# KiCad board Video Timer.kicad_pcb (continued)
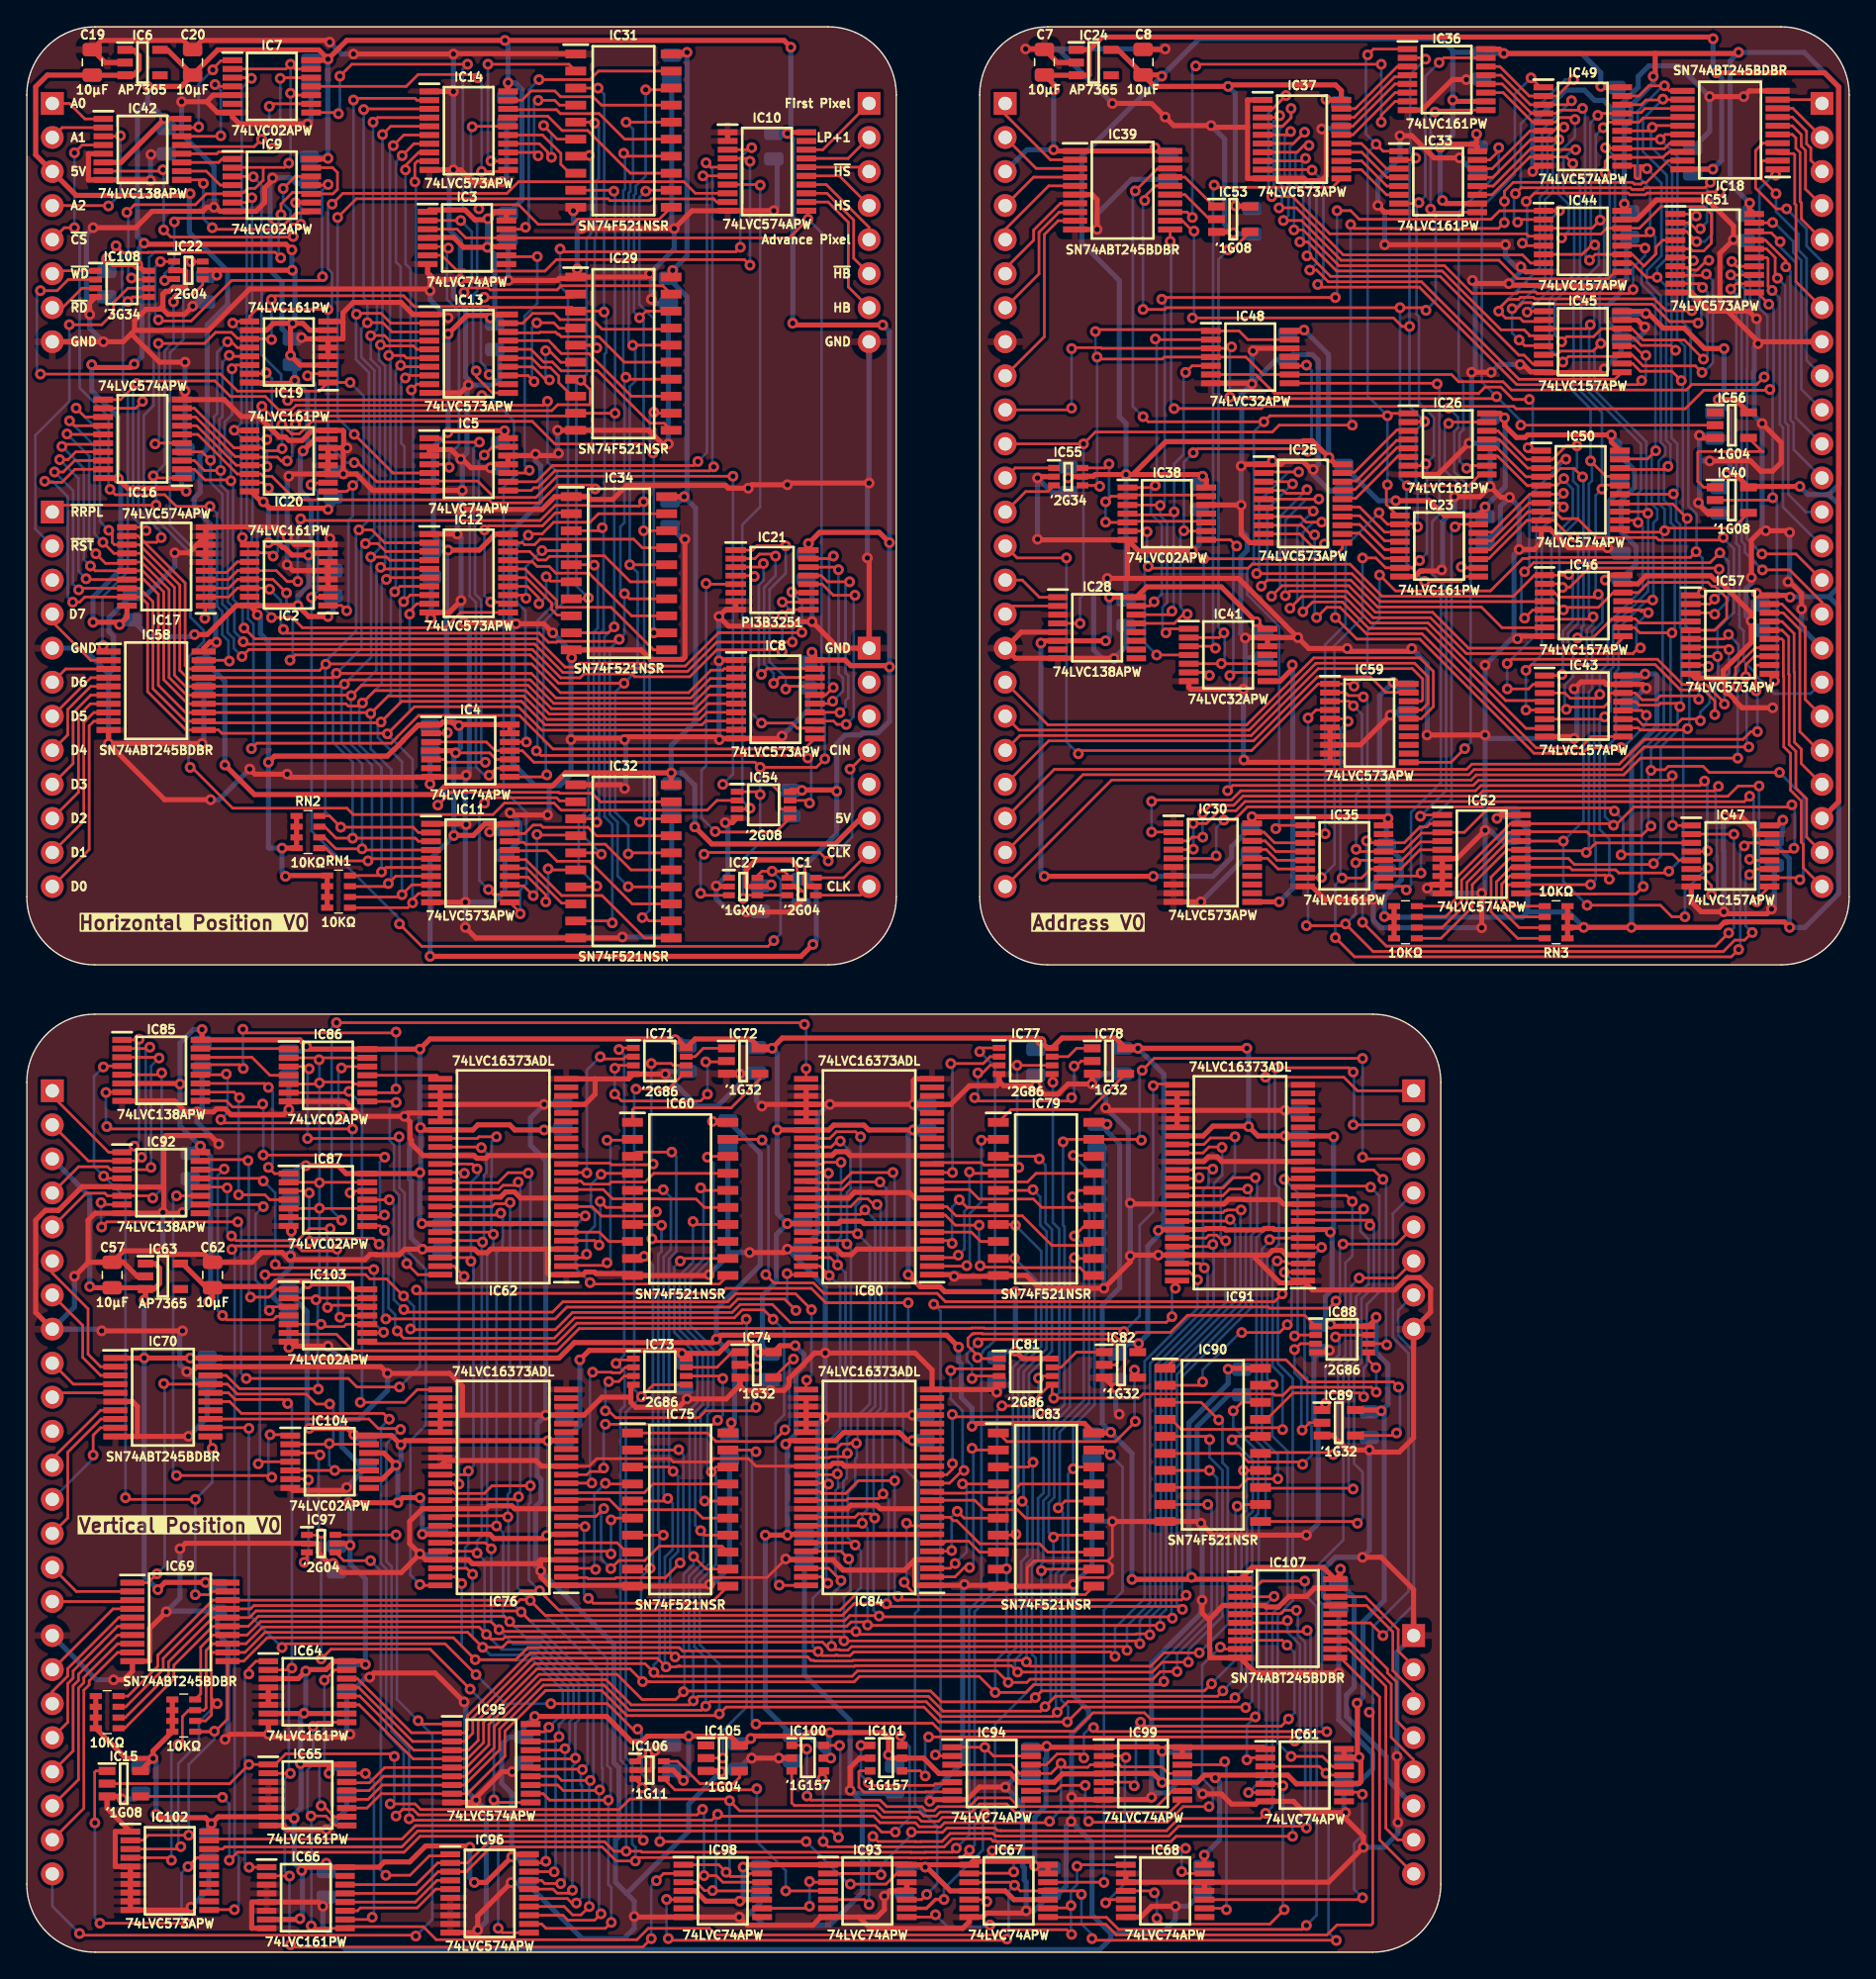
[diagram p0: board, top side]
## Routing (per net, layer and track width the routed paths; a pad name or vN(x,y) marks a point on that pad's centre or on a via; arc(x,y) is an arc through that point) (continued)
  Top w0.2: 113.15,128.02 112.09,128.02 111.91,128.19 97.25,128.19 94.48,130.97 v1(92.91,130.97) ; IC37.2 93,137.53 v1(93.98,138.51)
  Bottom w0.2: v1(92.91,130.97) 92.68,131.2 92.68,137.21 v1(93.98,138.51)
/Address Position/L1: length 30.2
  Top w0.2: IC37.3 93.37,136.88 v1(93.51,137.01) ; IC44.7 112.24,126.01 111.63,126.62 98.26,126.62 94.75,130.13 v1(93.46,130.13)
  Bottom w0.2: v1(93.46,130.13) 93.67,130.34 93.67,131.24 93.08,131.83 93.08,136.58 v1(93.51,137.01)
/Address Position/L2: length 39
  Top w0.2: IC37.4 93.74,136.23 94.36,136.85 v1(94.36,137.54) ; 118.56,125.36 118.03,124.83 112.18,124.83 112.16,124.85 111.24,124.85 109.87,126.22 98.09,126.22 95.13,129.19 v1(93.79,129.19)
  Bottom w0.2: v1(93.79,129.19) 94.16,129.56 94.16,131.31 93.48,132 93.48,135.97 94.36,136.85 v1(94.36,137.54)
/Address Position/L3: length 42.7
  Top w0.2: v1(94.32,135.82) 94.08,135.58 IC37.5 ; v1(94.58,128.49) 95.26,128.49 97.93,125.82 105.81,125.82 107.88,123.75 111.21,123.75 111.31,123.86 112.61,123.86 112.73,123.74 119.59,123.74 v1(119.89,124.04) ; v1(120.78,127.13) 120.59,127.31 IC44.12
  Bottom w0.2: v1(94.58,128.49) 94.58,131.46 93.88,132.16 93.88,135.38 v1(94.32,135.82) ; v1(119.89,124.04) 119.89,125.67 120.78,126.56 v1(120.78,127.13)
/Address Position/L4: length 33.6
  Top w0.2: 113.09,120.59 112.14,120.59 112.14,120.65 111.76,121.03 110.03,121.03 105.64,125.42 97.76,125.42 95.59,127.59 v1(95.02,127.59) ; v1(95.37,135.77) 94.52,134.93 IC37.6
  Bottom w0.2: v1(95.02,127.59) 95.28,127.85 95.28,131.33 94.28,132.33 94.28,134.68 v1(95.37,135.77)
/Address Position/L5: length 34
  Top w0.2: v1(95.69,134.78) 95.31,134.78 94.81,134.28 IC37.7 ; 113.16,118.47 112.42,118.47 111.75,119.14 111.35,119.14 105.48,125.02 97.3,125.02 95.77,126.55 v1(95.55,126.55)
  Bottom w0.2: v1(95.69,134.78) 95.31,134.78 94.68,134.15 94.68,132.49 95.74,131.43 95.74,126.75 v1(95.55,126.55)
/Address Position/L6: length 39.2
  Top w0.2: IC45.9 118.53,117.34 111.37,117.34 104.09,124.62 97.14,124.62 96.27,125.49 v1(95.76,125.49) ; v1(95.43,133.82) 95.24,133.63 IC37.8
  Bottom w0.2: v1(95.43,133.82) 95.19,133.57 95.19,132.55 96.25,131.49 96.25,125.98 v1(95.76,125.49)
/Address Position/L7: length 44.2
  Top w0.2: 119.06,119.82 119.97,119.82 120.66,119.13 v1(120.84,119.13) ; v1(96.35,124.42) 96.55,124.22 103.93,124.22 111.21,116.94 120.22,116.94 v1(120.52,117.24) ; IC37.9 95.89,132.98 v1(95.92,132.95)
  Bottom w0.2: v1(120.52,117.24) 120.84,117.56 v1(120.84,119.13) ; v1(96.35,124.42) 96.77,124.84 96.77,132.1 v1(95.92,132.95)
/Address Position/L8: length 34.1
  Top w0.2: 92.51,110.43 v1(94.93,110.43) ; 113.27,100.76 100.98,100.76 98.9,102.85 91.8,102.85 v1(91.79,102.85)
  Bottom w0.2: v1(94.93,110.43) 94.17,110.43 91.98,108.23 91.98,103.03 v1(91.79,102.85)
/Address Position/L9: length 33.6
  Top w0.2: 92.44,109.7 94.31,109.7 v1(94.47,109.54) ; v1(92.14,101.91) 92.59,102.36 98.81,102.36 100.82,100.36 108.56,100.36 110.11,98.81 113.38,98.81
  Bottom w0.2: v1(92.14,101.91) 92.58,102.35 92.58,107.65 v1(94.47,109.54)
/Address Position/L10: length 41.3
  Top w0.2: v1(95.55,109.11) 95.28,108.84 94,108.84 93.78,109.05 92.44,109.05 ; v1(92.9,101.16) 93.69,101.94 98.67,101.94 100.65,99.96 104.93,99.96 107.6,97.28 118.36,97.28 119.26,98.18
  Bottom w0.2: v1(95.55,109.11) 93.54,107.1 93.54,101.79 v1(92.9,101.16)
/Address Position/L11: length 48.2
  Top w0.2: v1(96.43,108.41) 96.42,108.4 92.44,108.4 ; 119.26,100.13 120.38,100.13 120.5,100 ; 120.18,97.19 119.87,96.88 107.44,96.88 104.76,99.56 100.49,99.56 98.52,101.53 94.26,101.53 v1(93.94,101.2) ; 119.25,100.12 120.84,100.12 v1(121.03,99.93) ; v1(120.44,97.3) 120.29,97.3 119.86,96.87
  Bottom w0.2: v1(121.03,99.93) 120.14,99.05 120.14,97.6 v1(120.44,97.3) ; v1(96.43,108.41) 95.52,108.41 93.95,106.84 93.95,101.21 v1(93.94,101.2)
/Address Position/L12: length 34.3
  Top w0.2: 92.44,107.75 95.76,107.75 v1(96.01,107.5) ; 113.32,93.37 110.38,93.37 104.6,99.16 100.32,99.16 98.35,101.13 95.15,101.13 v1(94.28,100.26)
  Bottom w0.2: v1(94.28,100.26) 94.82,100.81 94.82,106.31 v1(96.01,107.5)
/Address Position/L13: length 34.3
  Top w0.2: v1(95.24,100) 95.97,100.73 98.18,100.73 100.16,98.76 104.43,98.76 111.89,91.29 113.36,91.29 ; 92.44,107.1 95.06,107.1 95.48,106.68 v1(96.65,106.68)
  Bottom w0.2: v1(95.24,100) 95.24,105.9 96.02,106.68 v1(96.65,106.68)
/Address Position/L14: length 38.2
  Top w0.2: 92.44,106.45 95.14,106.45 95.86,105.73 v1(96.12,105.73) ; v1(96.27,99.57) 97.03,100.33 98.02,100.33 99.99,98.36 104.14,98.36 112.65,89.85 115.94,89.85 116.78,90.69 119.26,90.69
  Bottom w0.2: v1(96.12,105.73) 96.12,99.72 v1(96.27,99.57)
/Address Position/L15: length 41.5
  Top w0.2: v1(120.88,92.28) 120.52,92.63 120.16,92.63 120.16,92.64 119.26,92.64 ; v1(96.85,105.05) 96.57,104.77 96.04,104.77 95.01,105.8 92.44,105.8 ; v1(97.66,99.57) 99.27,97.96 103.97,97.96 112.48,89.45 116.1,89.45 116.11,89.45 116.12,89.45 116.53,89.86 v1(118.99,89.86)
  Bottom w0.2: v1(120.88,92.28) 120.88,91.6 119.14,89.86 v1(118.99,89.86) ; v1(96.85,105.05) 97.66,104.24 v1(97.66,99.57)
/Address Position/L16: length 52.3
  Top w0.2: v1(125.22,87.37) 124.88,87.03 108.52,87.03 108.13,86.64 90.6,86.64 89.91,85.96 84.05,85.96 v1(83.95,85.85) ; IC47.4 125.38,82.11 v1(125.43,82.16) ; v1(83.95,83.57) 85.57,83.57
  Bottom w0.2: v1(125.22,87.37) 125.43,87.16 125.43,82.16 v1(125.43,82.16) ; v1(83.95,85.85) v1(83.95,83.57)
/Address Position/L17: length 54.3
  Top w0.2: v1(87.76,84.96) 88.35,85.56 90.08,85.56 90.76,86.24 108.3,86.24 108.68,86.63 125.92,86.63 v1(126.26,86.97) ; IC47.7 125.15,80.16 125.73,79.58 v1(125.73,78.87) ; v1(87.77,83.18) 86.98,83.18 86.7,82.9 IC30.3
  Bottom w0.2: v1(125.73,78.87) 126.16,79.3 126.16,81.75 126.13,81.79 126.13,84.34 126.05,84.42 126.05,86.76 v1(126.26,86.97) ; v1(87.76,84.96) 87.76,83.2 v1(87.77,83.18)
/Address Position/L18: length 57.1
  Top w0.2: IC47.9 129.12,78.54 v1(129.12,78.36) ; v1(129.29,87) 127.73,87 126.96,86.23 108.85,86.23 108.46,85.84 90.93,85.84 90.24,85.16 89,85.16 88.04,84.2 v1(87.06,84.2) ; IC30.4 87.04,82.25 v1(87.07,82.29)
  Bottom w0.2: v1(129.29,87) 129.29,87 129.29,78.53 v1(129.12,78.36) ; v1(87.07,82.29) 87.07,84.19 v1(87.06,84.2)
/Address Position/L19: length 52.6
  Top w0.2: v1(88.77,81.79) 88.57,81.59 85.6,81.59 ; v1(128.59,81.53) 128.66,81.46 IC47.12 ; v1(128.59,86.23) 128.18,85.83 109.01,85.83 108.63,85.44 91.1,85.44 90.11,84.46 v1(89.34,84.46)
  Bottom w0.2: v1(88.77,81.79) 88.77,83.89 v1(89.34,84.46) ; v1(128.59,81.53) 128.89,81.83 128.89,85.93 v1(128.59,86.23)
/Address Position/Last Pixel + 1: length 3.7
  Top w0.2: IC39.15 86.44,131.12 88.27,129.29
/Address Position/Last Pixel + 1 _{IN}: length 7.3
  Top w0.2: 78.24,131.77 76.27,131.77 73.03,128.52 J4.5
/Address Position/Latch Bank: length 22.7
  Top w0.38: IC30.11 v1(93.47,78.35) ; v1(94.45,96.04) 94.45,95.74 93.54,94.82 IC41.8
  Bottom w0.38: v1(94.45,96.04) 94.49,96 94.49,79.37 v1(93.47,78.35)
/Address Position/Latch High: length 21.6
  Top w0.2: v1(88.26,95.25) 88.04,95.47 IC41.6 ; IC25.11 98.19,104.73 97.41,103.95 v1(87.84,103.95)
  Bottom w0.2: v1(88.26,95.25) 87.84,95.68 v1(87.84,103.95)
/Address Position/Latch Low: length 46.5
  Top w0.2: v1(88.62,131.83) 88.78,131.67 97.45,131.67 IC37.11 ; IC41.3 88.57,97.42 v1(88.71,97.28)
  Bottom w0.2: v1(88.71,97.28) 88.54,97.45 88.54,131.75 v1(88.62,131.83)
/Address Position/LC0: length 6.2
  Top w0.2: IC37.19 99.15,137.53 102.29,140.67 IC36.3
/Address Position/LC1: length 6.1
  Top w0.2: IC37.18 99.06,136.88 102.08,139.9 102.92,139.9
/Address Position/LC2: length 6.2
  Top w0.2: IC37.17 98.98,136.23 102.12,139.37 IC36.5
/Address Position/LC3: length 6.2
  Top w0.2: 103.05,138.72 102.12,138.72 98.98,135.58 IC37.16
/Address Position/LC4: length 5.1
  Top w0.2: 102.41,133.05 101.49,133.05 99.61,134.93 IC37.15
/Address Position/LC5: length 5.1
  Top w0.2: IC37.14 99.64,134.28 101.51,132.4 IC33.4
/Address Position/LC6: length 5.1
  Top w0.2: IC37.13 99.64,133.63 101.51,131.75 IC33.5
/Address Position/LC7: length 5.1
  Top w0.2: IC33.6 101.49,131.1 99.61,132.98 IC37.12
/Address Position/LC8: length 6.2
  Top w0.2: 97.95,110.41 99.11,110.41 102.25,113.56 102.88,113.56
/Address Position/LC9: length 6.1
  Top w0.2: 102.76,112.78 102.24,112.78 99.22,109.76 97.95,109.76
/Address Position/LC10: length 5.4
  Top w0.2: 102.88,112.26 102.28,112.26 99.14,109.11 98.81,109.11
/Address Position/LC11: length 5.4
  Top w0.2: 102.88,111.61 102.34,111.61 99.19,108.46 98.81,108.46
/Address Position/LC12: length 5.1
  Top w0.2: 102.25,105.94 101.35,105.94 99.47,107.81 97.95,107.81
/Address Position/LC13: length 5.1
  Top w0.2: 102.25,105.29 101.35,105.29 99.47,107.16 97.95,107.16
/Address Position/LC14: length 5.1
  Top w0.2: 102.25,104.64 101.35,104.64 99.47,106.51 97.95,106.51
/Address Position/LC15: length 5.1
  Top w0.2: 102.25,103.99 101.32,103.99 99.45,105.86 97.95,105.86
/Address Position/LC16: length 4.3
  Top w0.2: IC30.19 92.34,83.55 93.13,82.76 95.41,82.76
/Address Position/LC17: length 4.3
  Top w0.2: 95.41,82.11 93.22,82.11 92.42,82.9 IC30.18
/Address Position/LC18: length 4.3
  Top w0.2: 95.41,81.46 93.3,81.46 92.51,82.25 IC30.17
/Address Position/LC19: length 4.3
  Top w0.2: 95.41,80.81 93.38,80.81 92.59,81.6 IC30.16
/Address Position/LP·AR: length 42.3
  Top w0.2: v1(89.34,98.42) 88.99,98.07 IC41.2 ; IC41.10 89.17,96.12 v1(89.15,96.14) 89.14,96.12 IC41.5 ; v1(89.66,127) 89.96,127 IC53.4
  Bottom w0.2: v1(89.15,96.14) 89.41,96.4 89.41,98.36 v1(89.34,98.42) 88.94,98.83 88.94,126.28 v1(89.66,127)
/Address Position/Pixel CLK: length 96
  Top w0.2: 102.51,106.55 103.59,106.55 v1(103.8,106.34) ; IC23.2 101.56,106.53 100.93,107.16 v1(100.93,107.39) ; IC36.2 104.29,141.32 v1(104.39,141.22) ; v1(103.66,133.84) 103.53,133.7 IC33.2 ; v1(87,121.92) 102.01,121.92 102.65,121.28 v1(103.2,121.28) ; 95.41,83.41 96.88,83.41 v1(96.9,83.44) ; v1(104.32,114.19) 104.31,114.17 103.15,114.17 ; IC39.12 86.25,129.17 87.02,128.4 v1(87.12,128.4)
  Bottom w0.2: v1(100.93,107.39) 98.43,104.88 98.43,99.06 96.9,97.54 v1(96.9,83.44) ; v1(87.12,128.4) 87.12,122.05 v1(87,121.92) ; v1(104.39,141.22) 103.25,140.08 103.25,134.25 v1(103.66,133.84) 103.2,133.38 v1(103.2,121.28) 103.2,115.31 v1(104.32,114.19) 103.68,113.54 103.68,109.75 103.8,109.63 v1(103.8,106.34)
/Address Position/Pixel CLK _{IN}: length 10
  Top w0.2: J4.7 75.55,125.2 75.55,128.31 77.06,129.82 78.24,129.82
/Address Position/Read Address Low: length 10.1
  Top w0.2: IC56.4 129.52,111.95 129.59,111.95 124.78,111.95 124.71,111.89 124.71,109.73 125.16,109.28 IC40.1
/Address Position/TC_{0..3}: length 76.5
  Top w0.2: 95.41,80.16 96.61,80.16 v1(96.62,80.17) ; v1(103.95,103.82) 103.4,103.28 IC23.7 101.42,103.28 100.68,104.01 v1(99.69,104.01) ; v1(105.41,140.97) 105.76,141.32 IC36.15 ; v1(103.9,130.52) 103.83,130.45 IC33.7 ; IC26.7 104.28,110.9 v1(104.42,111.04)
  Bottom w0.2: v1(103.95,103.82) 104.5,104.37 104.5,110.96 v1(104.42,111.04) 105.02,111.64 105.02,114.48 103.9,115.6 103.9,122.02 103.73,122.2 103.73,130.35 v1(103.9,130.52) 104.38,131 104.38,139.94 v1(105.41,140.97) ; v1(96.62,80.17) 97.6,81.15 97.6,97.47 99.69,99.57 v1(99.69,104.01)
/Address Position/TC_{4..7}: length 29.3
  Top w0.2: IC33.15 109.19,133.7 109.85,134.37 v1(109.85,134.62) ; IC26.10 107.65,110.9 v1(107.46,110.71)
  Bottom w0.2: v1(109.85,134.62) 109.85,132.79 106.87,129.8 106.87,117.49 107.22,117.14 107.22,113.59 106.93,113.3 106.93,111.24 v1(107.46,110.71)
/Address Position/TC_{8..11}: length 15.7
  Top w0.2: IC23.10 107.13,103.28 v1(107.06,103.34) ; IC26.15 106.22,114.15 v1(106.12,114.05)
  Bottom w0.2: v1(106.12,114.05) 105.83,113.76 105.83,110.57 107.3,109.11 107.3,103.58 v1(107.06,103.34)
/Address Position/TC_{12..15}: length 31.5
  Top w0.2: v1(106.6,106.34) 106.78,106.53 IC23.15 ; 101.39,80.29 103.84,80.29 v1(104.06,80.51)
  Bottom w0.2: v1(104.06,80.51) 104.06,83.74 106.34,86.02 106.34,106.08 v1(106.6,106.34)
/Address Position/Write Address Bank: length 62.7
  Top w0.2: v1(89.79,95.24) 90.02,95.47 IC41.9 ; IC38.8 89.83,105.36 v1(90.3,104.9) ; v1(89.62,86.66) 90.01,87.04 107.96,87.04 108.35,87.43 122.47,87.43 v1(122.81,87.77) ; v1(122.84,84.06) 122.84,84.06 IC47.1
  Bottom w0.2: v1(89.62,86.66) 89.79,86.82 v1(89.79,95.24) 90.04,95.5 90.04,104.65 v1(90.3,104.9) ; v1(122.81,87.77) 122.84,87.74 v1(122.84,84.06)
/Address Position/Write Address High: length 56.1
  Top w0.2: v1(114.58,95.32) 114.51,95.25 113.29,95.25 ; v1(83.69,103.38) 83.82,103.25 91.16,103.25 91.46,103.55 98.76,103.55 101.15,101.16 110.95,101.16 112.52,102.73 IC46.1 115.03,102.73 v1(115.09,102.79) ; IC38.6 83.57,106.01 v1(83.61,105.97) ; IC41.4 v1(84.33,96.77)
  Bottom w0.2: v1(115.09,102.79) 115.39,102.49 115.39,99.3 114.64,98.55 114.64,95.38 v1(114.58,95.32) ; v1(83.61,105.97) 83.61,103.46 v1(83.69,103.38) 83.44,103.12 83.44,97.67 v1(84.33,96.77)
/Address Position/Write Address Low: length 76.3
  Top w0.2: v1(114.39,129.92) 114.38,129.91 IC44.1 109.92,129.91 109.29,129.28 99.45,129.28 98.81,129.92 v1(97.79,129.92) ; v1(97.66,123.44) 84.84,123.44 v1(84.71,123.32) ; v1(111.98,122.35) 112.04,122.42 IC45.1 ; v1(85.02,98.43) 85.31,98.72 IC41.1 ; IC38.3 84.56,107.96 v1(84.6,107.93)
  Bottom w0.2: v1(114.39,129.92) 113.79,129.32 113.79,124.17 v1(111.98,122.35) ; v1(97.79,129.92) 97.79,123.57 v1(97.66,123.44) ; v1(84.71,123.32) 84.93,123.1 84.93,108.26 v1(84.6,107.93) 84.6,107.17 85.11,106.66 85.11,100.67 84.77,100.33 84.77,98.68 v1(85.02,98.43)
/Address Position/~{Horizontal Blank}: length 112.3
  Top w0.2: IC35.9 102.69,79.51 v1(102.96,79.25) ; IC23.9 107.41,102.63 107.04,102.26 v1(104.34,102.26) ; IC39.16 84.24,131.77 83.43,130.97 v1(83.43,130.69) ; IC33.9 105.01,129.8 v1(104.77,130.04) ; 108.47,110.25 107.63,109.4 v1(103.03,109.4) ; v1(83.31,122.55) 84.94,122.55 85.06,122.68 v1(102.49,122.68) 104.24,122.68 v1(104.43,122.49) ; v1(105.1,137.28) 105.24,137.42 IC36.9
  Bottom w0.2: v1(83.43,130.69) 83.31,130.56 v1(83.31,122.55) ; v1(102.96,79.25) 103.31,79.6 103.31,85.03 105.54,87.26 105.54,101.06 v1(104.34,102.26) 102.97,103.62 102.97,109.35 v1(103.03,109.4) 102.49,109.95 v1(102.49,122.68) ; v1(105.1,137.28) 104.78,136.96 v1(104.78,130.04) 105.16,129.65 105.16,123.22 v1(104.43,122.49)
/Address Position/~{Horizontal Blank} _{IN}: length 6.1
  Top w0.2: 78.24,132.42 75.14,132.42 J4.4
/Address Position/~{PC}·RAL: length 79.6
  Top w0.2: v1(120.92,133.06) 120.71,133.27 120.42,133.27 120.42,132.42 120.31,132.31 120.14,132.31 120.02,132.42 120.02,133.27 IC49.11 ; 128.5,107.38 127.36,106.24 122.43,106.24 v1(122.24,106.05) 122.13,105.94 119.14,105.94 IC50.11 ; v1(120.65,79.5) 120.1,78.95 117.01,78.95 117,78.95 111.58,78.95
  Bottom w0.2: v1(120.92,133.06) 122,131.98 122,126.54 120.92,125.46 120.92,124.6 121.96,123.57 121.96,112.63 122.28,112.3 122.28,111.72 121.79,111.24 121.79,108.1 122.24,107.65 v1(122.24,106.05) 122.09,105.9 122.09,95.52 122.17,95.43 122.17,91.26 120.52,89.6 120.52,79.63 v1(120.65,79.5)
/Address Position/~{Pixel CLK}: length 124.8
  Top w0.2: IC59.11 106.29,88.77 v1(107.31,89.79) ; IC57.11 130.06,95.22 v1(130.43,94.85) ; v1(130.1,116.59) 130.03,116.52 125.16,116.52 123.78,115.14 111.15,115.14 110.97,115.32 106.25,115.32 v1(106.12,115.2) 106,115.32 92.31,115.32 92.15,115.16 v1(85.63,115.16) ; IC40.2 130.13,108.33 v1(130.31,108.51) ; 129.13,123.82 v1(130.01,122.94) ; v1(85.34,127.63) 85.34,127.64 IC39.11
  Bottom w0.2: v1(107.31,89.79) 107.76,90.24 107.76,109.21 106.53,110.44 106.53,113.47 106.82,113.76 106.82,114.5 v1(106.12,115.2) ; v1(130.01,122.94) 130.37,122.59 130.37,116.86 v1(130.1,116.59) 130.31,116.38 v1(130.31,108.51) 130.62,108.19 130.62,95.04 v1(130.43,94.85) ; v1(85.63,115.16) 85.41,115.38 85.41,127.57 v1(85.34,127.63)
/Address Position/~{Pixel CLK} _{IN}: length 14.5
  Top w0.2: 78.24,129.17 76.97,129.17 75.95,128.14 75.95,120.52 J4.9
/Address Position/~{RD}: length 95.6
  Top w0.2: v1(79.88,119) 80.03,118.85 84.75,118.85 84.89,119 IC48.4 90.99,119 92.29,117.7 IC48.9 106.33,117.7 106.87,117.16 110.18,117.16 110.8,116.54 123.86,116.54 124.27,116.95 129.11,116.95 v1(129.67,117.51) ; IC48.13 91.13,120.3 90.48,120.95 IC48.1 ; IC18.1 130.53,132.86 v1(130.53,132.57) ; 88.28,121.05 79.9,121.05 v1(79.76,120.9) ; IC55.4 80.01,109.43 v1(80.07,109.36)
  Bottom w0.2: v1(130.53,132.57) 130.34,132.57 129.31,131.55 129.31,122.65 129.92,122.05 129.92,117.76 v1(129.67,117.51) ; v1(79.76,120.9) 79.76,119.13 v1(79.88,119) 79.88,109.55 v1(80.07,109.36)
/Address Position/~{RD}_{IN}: length 4.5
  Top w0.2: IC55.3 76.2,108.97 74.55,108.97 J4.13
/Address Position/~{Read Address Bank}: length 46.5
  Top w0.2: v1(104.01,84.74) 104.11,84.84 IC52.1 ; 94.25,117.05 105.21,117.05 v1(105.26,117)
  Bottom w0.2: v1(104.01,84.74) 105.94,86.67 105.94,101.8 104.9,102.83 104.9,106.73 105.42,107.26 105.42,116.84 v1(105.26,117)
/Address Position/~{Read Address High}: length 29.8
  Top w0.2: IC48.6 91.72,117.7 93.12,116.3 108.37,116.3 108.84,116.76 110.01,116.76 110.93,115.84 v1(112.14,115.84)
  Top w0.38: v1(112.05,112.24) 112.27,112.02 IC50.1
  Bottom w0.2: v1(112.05,112.24) 112.4,112.59 112.4,115.59 v1(112.14,115.84)
/Address Position/~{Read Address Low}: length 89.4
  Top w0.2: v1(77.98,119.63) 78.04,119.7 80.17,119.7 80.22,119.65 IC48.3 89.8,119.65 v1(89.92,119.76) ; v1(77.98,115.19) 77.85,115.06 J4.10 ; IC56.2 v1(111.51,113.92) ; 112.97,139.12 v1(112.27,139.83) ; v1(89.79,116.02) 89.91,115.9 109.55,115.9 v1(109.7,116.05)
  Bottom w0.2: v1(112.27,139.83) 111.06,138.62 111.06,132.63 108.59,130.16 108.59,117.15 v1(109.7,116.05) 111.51,114.24 v1(111.51,113.92) ; v1(89.79,116.02) 89.79,119.63 v1(89.92,119.76) ; v1(77.98,119.63) v1(77.98,115.19)
/Address Position/~{Reset}: length 116.1
  Top w0.2: 102.29,107.18 101.47,107.99 101.47,109.4 v1(101.55,109.47) ; v1(83.31,114.55) 83.69,114.17 v1(92.33,114.17) 92.78,114.62 v1(101.55,114.62) 101.73,114.8 IC26.1 ; 95.41,84.06 93.46,84.06 v1(93.22,83.82) ; v1(100.08,141.54) 100.51,141.97 IC36.1 ; IC33.1 101.23,134.35 v1(100.71,134.87) ; v1(82.73,131.39) 84.4,133.07 IC39.18
  Bottom w0.2: v1(101.55,109.47) v1(101.55,114.62) 100.08,116.1 100.08,134.24 v1(100.71,134.87) 99.95,135.64 99.95,141.42 v1(100.08,141.54) ; v1(83.31,114.55) 82.55,115.32 82.55,131.22 v1(82.73,131.39) ; v1(93.22,83.82) 93.47,84.07 93.47,98.9 91.09,101.28 91.09,103.18 91.58,103.66 91.58,113.42 v1(92.33,114.17)
/Address Position/~{Reset} _{IN}: length 7.4
  Top w0.2: J4.1 73.03,137.09 76.39,133.72 78.24,133.72
/Address Position/~{WD}: length 21.4
  Top w0.2: IC55.6 80.47,110.73 v1(80.77,111.03) ; 87.95,106.74 82.23,106.74 ; 87.93,108.71 82.25,108.71 ; IC38.5 80.53,106.66 v1(80.52,106.68) ; v1(80.52,108.2) 80.93,108.61 IC38.2
  Bottom w0.2: v1(80.52,106.68) v1(80.52,108.2) 80.78,108.46 80.78,111.02 v1(80.77,111.03)
/Address Position/~{WD}_{IN}: length 3.9
  Top w0.2: J4.12 73.77,110.73 IC55.1
/Horizontal Position/A0: length 4.3
  Top w0.2: J1.1 3.18,137.92 4.33,136.77 IC42.1
/Horizontal Position/A1: length 4.1
  Top w0.2: IC42.2 2.64,136.12 J1.2
/Horizontal Position/A2: length 11.1
  Top w0.2: v1(6.98,135.51) 6.94,135.47 IC42.3 ; J1.4 6.07,130.3 v1(6.1,130.27)
  Bottom w0.2: v1(6.98,135.51) 6.98,131.16 v1(6.1,130.27)
/Horizontal Position/Advance Pixel: length 50.7
  Top w0.2: IC10.7 54.7,131.87 v1(54.74,131.83) ; v1(53.98,85.34) 53.9,85.27 53.02,85.27
  Bottom w0.2: v1(54.74,131.83) 54.74,107.82 53.4,106.49 53.4,85.91 v1(53.98,85.34)
/Horizontal Position/Advance Pixel _{OUT}: length 6.9
  Top w0.2: J2.5 62.87,128.68 59.67,131.87 IC10.14
/Horizontal Position/Back Porch End D0: length 13.7
  Top w0.2: v1(34.62,100.74) 34.64,100.71 35.8,100.71 ; 40.57,107.38 39.46,107.38 38.49,106.41 34.46,106.41 v1(34.16,106.11)
  Bottom w0.2: v1(34.16,106.11) 34.16,106.1 34.16,101.19 v1(34.62,100.74)
/Horizontal Position/Back Porch End D1: length 7.4
  Top w0.2: IC12.13 37.02,101.24 v1(37.26,101) ; 40.32,104.56 v1(38.45,104.56)
  Bottom w0.2: v1(37.26,101) 37.26,103.37 v1(38.45,104.56)
/Horizontal Position/Back Porch End D2: length 7.3
  Top w0.2: v1(38.77,102.61) 39.09,102.29 40.58,102.29 ; v1(38.23,100.61) 38.23,101.03 37.36,101.89 IC12.14
  Bottom w0.2: v1(38.23,100.61) 38.77,101.14 v1(38.77,102.61)
/Horizontal Position/Back Porch End D3: length 6.1
  Top w0.2: 40.58,99.75 39.58,99.75 39.16,100.17 39.16,100.66 37.28,102.54 35.94,102.54
/Horizontal Position/Back Porch End D4: length 14.6
  Top w0.2: IC34.11 46.78,97.15 43.61,100.33 39.57,100.33 39.56,100.34 39.56,100.83 37.19,103.19 35.94,103.19
/Horizontal Position/Back Porch End D5: length 13.4
  Top w0.2: IC34.13 45.14,99.69 41.96,102.88 39.49,102.88 38.99,103.38 38.08,103.38 37.74,103.73 36.06,103.73
/Horizontal Position/Back Porch End D6: length 13
  Top w0.2: 35.94,104.49 37.53,104.49 38.16,103.86 38.74,103.86 39.01,104.13 42.01,104.13 42.06,104.18 43.11,104.18 45.05,102.23 IC34.15
/Horizontal Position/Back Porch End D7: length 12.3
  Top w0.2: IC12.19 37.01,105.14 37.14,105.01 37.91,105.01 38.31,105.41 45.3,105.41 45.94,104.77 IC34.17
/Horizontal Position/Back Porch Start D0: length 15.7
  Top w0.2: v1(34.46,79.28) 34.83,78.91 36,78.91 ; v1(34.16,85.72) 34.56,86.12 39.54,86.12 39.77,85.89 41.04,85.89
  Bottom w0.2: v1(34.46,79.28) 33.78,79.95 33.78,85.34 v1(34.16,85.72)
/Horizontal Position/Back Porch Start D1: length 9.8
  Top w0.2: 41.05,83.34 38.12,83.34 v1(38.08,83.38) ; v1(37.8,78.82) 37.07,79.56 36,79.56
  Bottom w0.2: v1(38.08,83.38) 38.08,79.1 v1(37.8,78.82)
/Horizontal Position/Back Porch Start D2: length 8.5
  Top w0.2: v1(38.73,78.36) 38.73,78.88 37.41,80.21 36,80.21 ; v1(38.91,80.82) 38.99,80.74 40.99,80.74
  Bottom w0.2: v1(38.73,78.36) 38.91,78.54 v1(38.91,80.82)
/Horizontal Position/Back Porch Start D3: length 6.1
  Top w0.2: 36,80.86 37.32,80.86 39.92,78.26 41.05,78.26
/Horizontal Position/Back Porch Start D4: length 14.5
  Top w0.2: 36,81.51 37.24,81.51 39.92,78.83 42.94,78.83 46.1,75.66 IC32.11
/Horizontal Position/Back Porch Start D5: length 13.5
  Top w0.2: 36.24,82.17 38.8,82.17 39.58,81.39 42.01,81.39 45.19,78.2 IC32.13
/Horizontal Position/Back Porch Start D6: length 12.8
  Top w0.2: IC32.15 45.09,80.74 43.18,82.66 37.23,82.66 37.08,82.8 36.2,82.8
/Horizontal Position/Back Porch Start D7: length 12.7
  Top w0.2: IC32.17 42.52,83.28 41.89,83.92 38.53,83.92 38.37,84.08 37.79,84.08 37.16,83.46 36,83.46
/Horizontal Position/Clock Read Row Position: length 100.5
  Top w0.2: v1(38.03,89.62) 38.37,89.28 58.1,89.28 v1(58.29,89.09) ; IC17.11 8.66,106.3 v1(8.9,106.06) ; v1(58.42,85.72) 58.22,85.92 IC54.7 ; v1(38.86,115.7) 38.56,115.4 20.1,115.4 19.76,115.06 18.8,115.06 17.8,116.06 15.2,116.06 14.04,117.22 8.39,117.22 v1(8.2,117.03) 7,115.82 5.7,115.82
  Bottom w0.2: v1(8.9,106.06) 7.93,107.03 7.93,116.76 v1(8.2,117.03) ; v1(38.86,115.7) 38.86,111.17 39.58,110.46 39.58,100.79 38.11,99.33 38.11,89.7 v1(38.03,89.62) ; v1(58.29,89.09) 58.55,88.84 58.55,85.85 v1(58.42,85.72)
/Horizontal Position/D0: length 142.5
  Top w0.2: IC13.9 29.11,116.98 28.7,116.57 v1(28.7,116.55) ; IC16.19 3.59,110.63 2.62,109.65 1.42,109.65 v1(1.33,109.74) ; RN1.1 28.43,77.92 v1(28.79,78.29) 28.79,78.54 29.23,78.98 IC11.9 ; v1(28.57,99.82) 28.57,100.06 29.11,100.59 IC12.9 ; v1(3.43,100.71) 3.94,100.71 4.33,101.1 8.5,101.1 9.02,100.58 9.02,94.04 11.87,91.18 IC58.11 14.3,91.18 14.55,90.93 26.87,90.93 v1(26.91,90.89) 28.93,92.91 36.69,92.91 38.44,91.16 52.91,91.16 ; v1(28.96,132.07) 28.96,133.42 29.16,133.61 IC14.9
  Bottom w0.2: v1(28.96,132.07) 29.04,131.99 29.04,116.89 v1(28.7,116.55) 28.83,116.42 28.83,100.08 v1(28.57,99.82) 28.57,92.55 v1(26.91,90.89) 26.91,90.85 28.79,88.97 v1(28.79,78.29) ; v1(1.33,109.74) 1.91,109.74 3.05,108.59 3.05,101.08 v1(3.43,100.71)
/Horizontal Position/D0_{IN/OUT}: length 14.7
  Top w0.2: J5.12 4.66,82.25 4.66,91.48 5,91.83 IC58.9
/Horizontal Position/D1: length 141
  Top w0.2: IC14.8 29.24,134.26 28.26,133.29 v1(28.26,132.97) ; IC11.8 28.73,79.63 v1(28,78.89) 27.83,78.72 RN1.2 ; 13.32,91.71 26.38,91.71 v1(26.44,91.77) 27.98,93.31 36.92,93.31 38.67,91.56 50.39,91.56 50.67,91.85 IC8.8 ; IC58.12 11.85,91.83 9.42,94.26 9.42,100.75 8.41,101.75 IC17.18 3.99,101.75 v1(3.87,101.63) ; IC16.18 3.57,111.28 2.72,110.43 v1(2.07,110.43) ; IC12.8 28.62,101.24 v1(28.13,100.75) ; v1(28.25,117.44) 28.44,117.63 IC13.8
  Bottom w0.2: v1(28.26,132.97) 28.26,125.95 28.64,125.57 28.64,117.83 v1(28.25,117.44) 27.94,117.13 27.94,112.57 28.18,112.33 28.18,100.81 v1(28.13,100.75) 27.88,100.5 27.88,93.21 v1(26.44,91.77) 26.2,91.53 26.2,90.62 28,88.81 v1(28,78.89) ; v1(3.87,101.63) 3.45,102.05 3.45,109.04 v1(2.07,110.43)
/Horizontal Position/D1_{IN/OUT}: length 12.8
  Top w0.2: J5.11 4.25,84.39 4.25,91.73 5,92.48 IC58.8
/Horizontal Position/D2: length 141.3
  Top w0.2: 24.14,79.5 26.76,79.5 v1(26.99,79.73) 27.54,80.28 IC11.7 ; v1(27.9,118.38) 28,118.28 IC13.7 ; IC8.7 50.76,92.5 50.22,91.96 38.83,91.96 37.09,93.71 26.97,93.71 v1(25.67,92.41) 25.6,92.48 IC58.13 11.85,92.48 9.82,94.51 9.82,101.32 8.73,102.4 IC17.17 4.49,102.4 v1(4.43,102.47) ; IC12.7 27.86,101.89 v1(27.46,101.5) ; IC14.7 28.9,134.91 v1(28.01,134.03) ; v1(2.45,111.35) 3.08,111.35 3.66,111.93 IC16.17
  Bottom w0.2: v1(28.01,134.03) 27.56,133.57 27.56,126.09 27.9,125.74 v1(27.9,118.38) 27.54,118.02 27.54,112.41 27.54,101.58 v1(27.46,101.5) 27.17,101.21 27.17,93.92 v1(25.67,92.41) 25.67,89.78 27.2,88.24 27.2,79.94 v1(26.99,79.73) ; v1(4.43,102.47) 3.86,103.04 3.86,109.95 v1(2.45,111.35)
